# Altium PCB Board.PcbDoc (part 1 of 15) (continued)
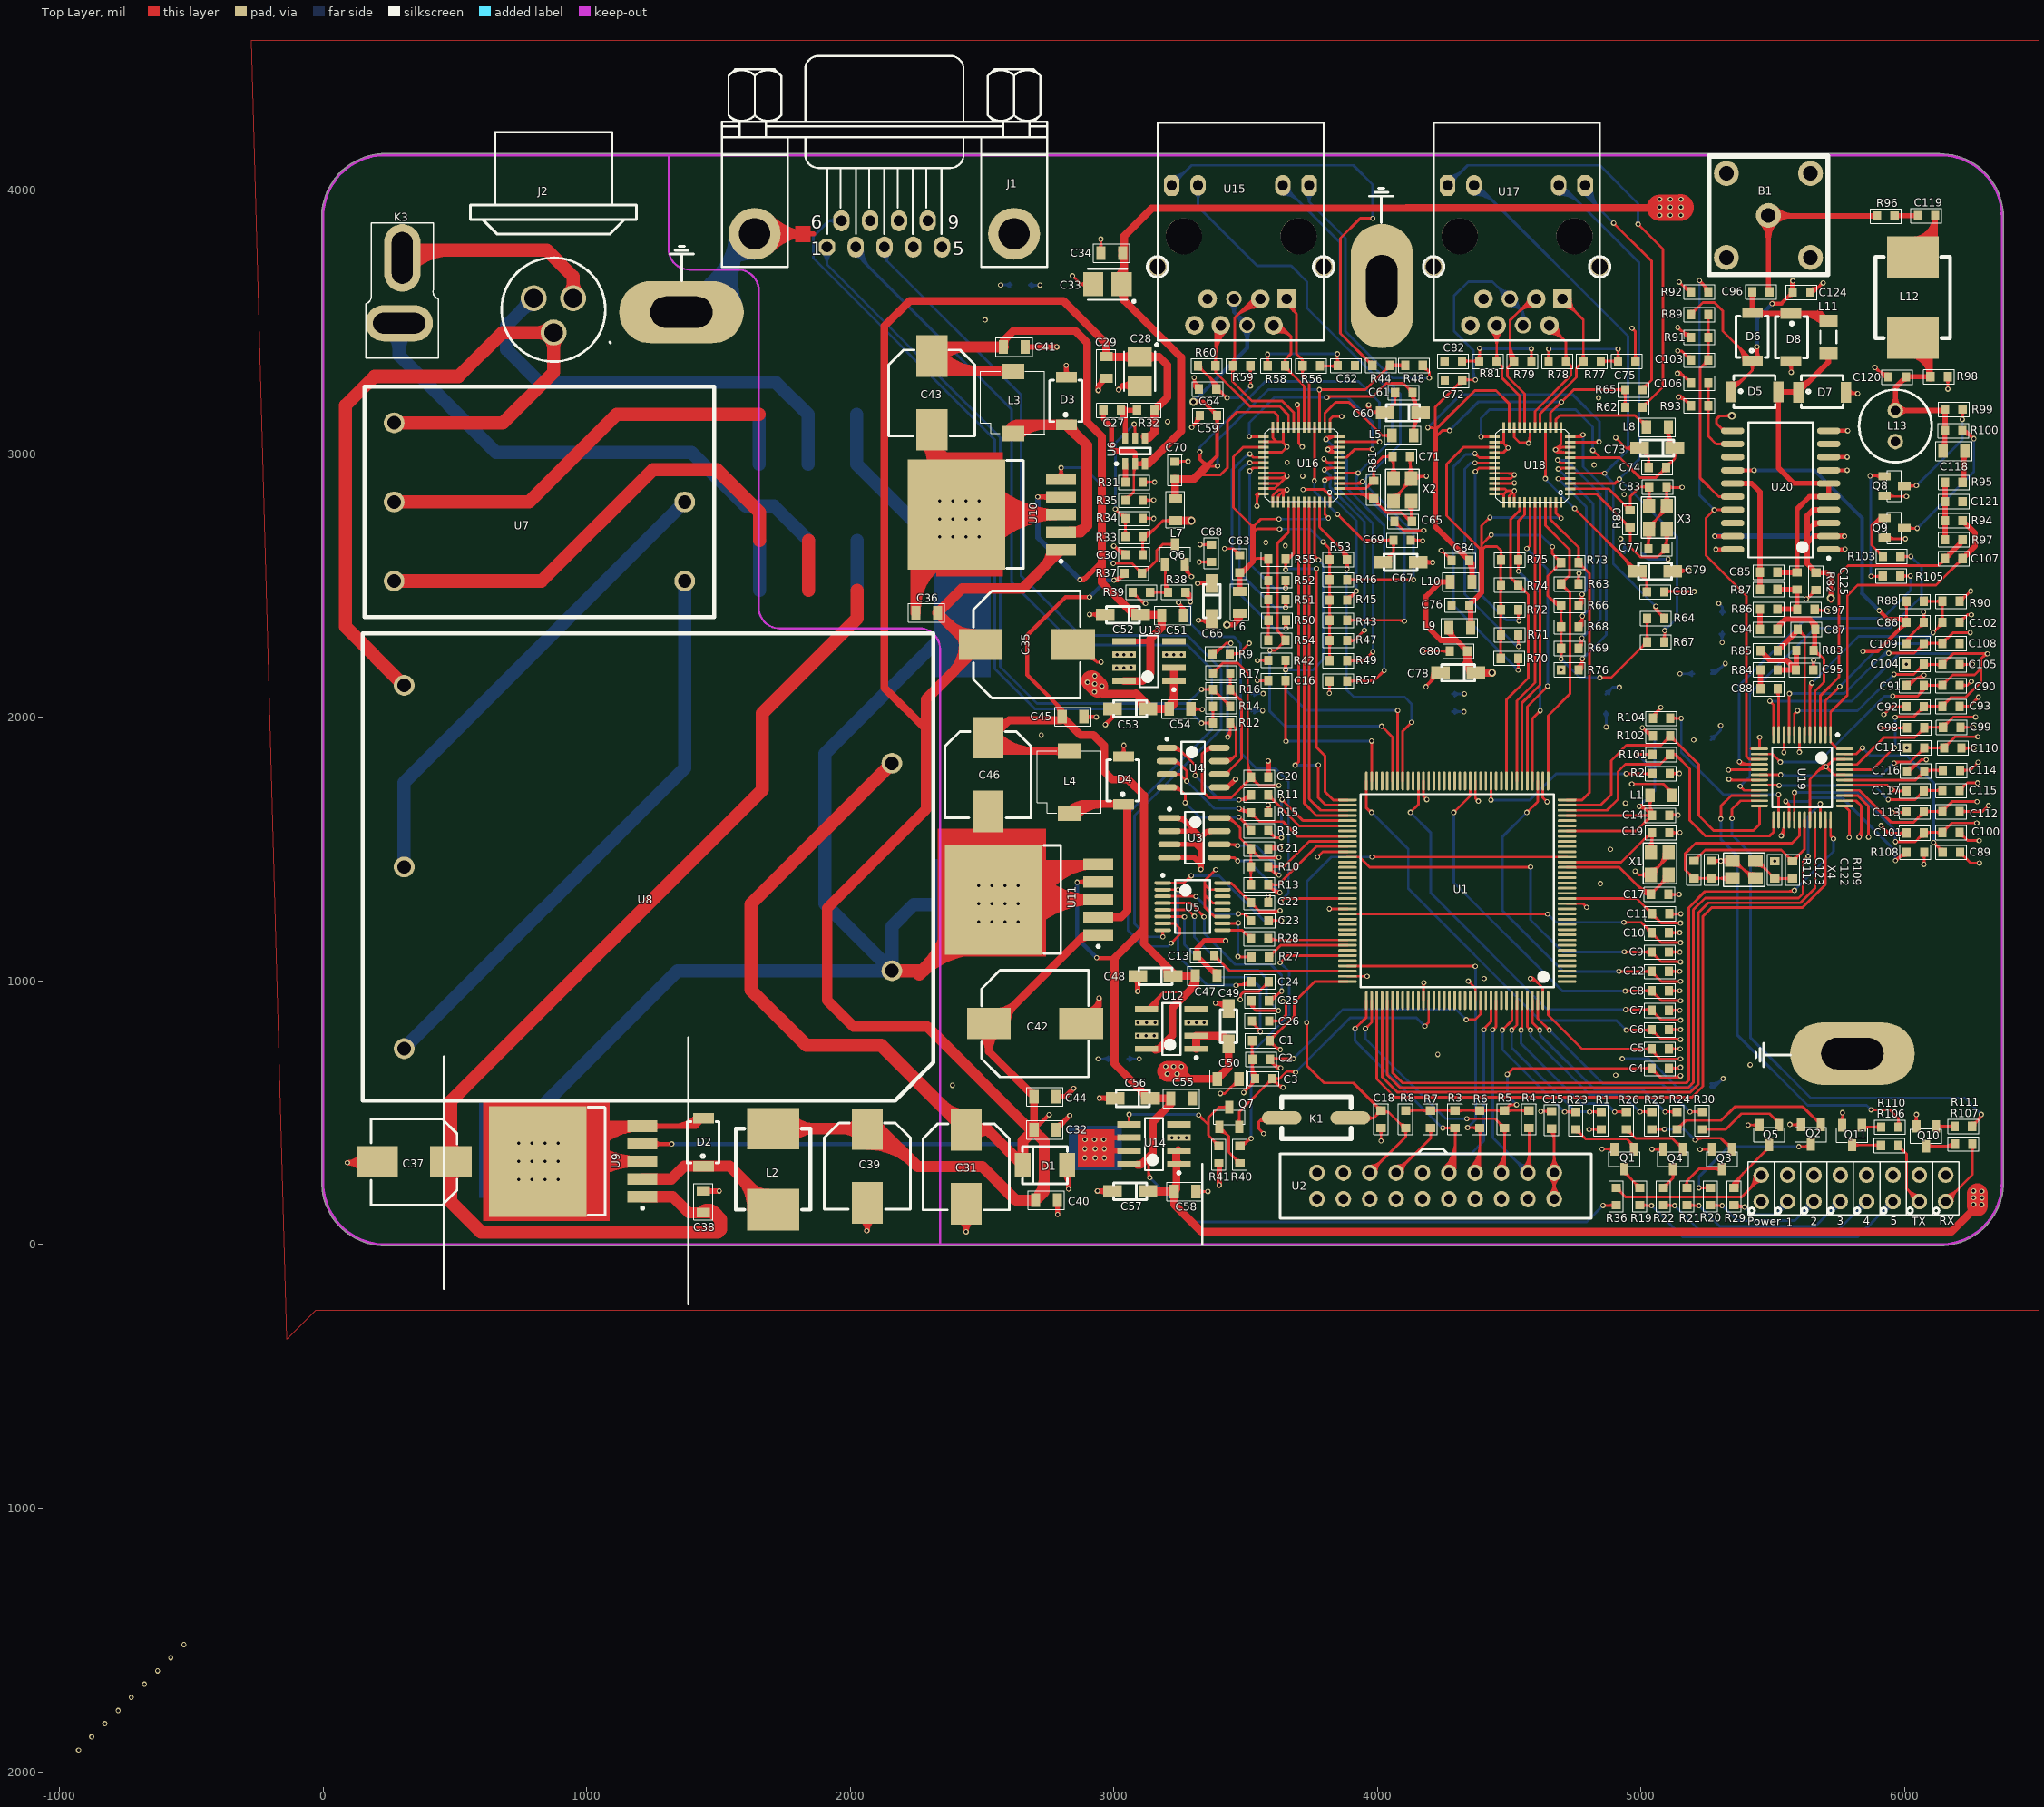
[diagram p0: Top Layer view]
## Components (designator, comment, footprint, x,y, rotation, side; value= is the part's Value field where it differs from the comment) (continued)
R8 "Resistor-0805" 0603 4107.1,442.45 r90 top
R9 "Resistor-0603" 0603 3373.6,2241.45 r0 top
R10 "Resistor-0603" 0603 3519.75,1433.17 r0 top
R11 "Resistor-0603" 0603 3585.6,1705.95 r180 top
R12 "Resistor-0603" 0603 3375.6,1978.45 r0 top
R13 "Resistor-0603" 0603 3519.75,1365.11 r0 top
R14 "Resistor-0603" 0603 3375.6,2041.7 r0 top
R15 "Resistor-0603" 0603 3585.6,1637.9 r180 top
R16 "Resistor-0603" 0603 3375.6,2104.95 r0 top
R17 "Resistor-0603" 0603 3375.6,2168.2 r0 top
R18 "Resistor-0603" 0603 3585.6,1569.84 r180 top
R19 "Resistor-0603" 0603 4995,215.45 r270 top
R20 "Resistor-0603" 0603 5263.2,215.45 r270 top
R21 "Resistor-0603" 0603 5173.8,215.45 r270 top
R22 "Resistor-0603" 0603 5084.4,215.45 r270 top
R23 "Resistor-0603" 0603 4752.6,437.45 r90 top
R24 "Resistor-0603" 0603 5136.6,437.45 r90 top
R25 "Resistor-0603" 0603 5040.6,437.45 r90 top
R26 "Resistor-0603" 0603 4944.6,437.45 r90 top
R27 "Resistor-0603" 0603 3588.6,1091.45 r180 top
R28 "Resistor-0603" 0603 3585.6,1160.45 r180 top
R29 "Resistor-0603" 0603 5352.6,215.45 r270 top
R30 "Resistor-0603" 0603 5232.6,437.45 r90 top
R31 "Resistor-0603" 0603 3109.6,2892.45 r180 top
R32 "Resistor-0603" 0603 3153.6,3165.45 r180 top
R33 "Resistor-0603" 0603 3043.75,2686.06 r0 top
R34 "Resistor-0603" 0603 3109.6,2755.23 r180 top
R35 "Resistor-0603" 0603 3109.6,2823.84 r180 top
R36 "Resistor-0603" 0603 4905.6,215.45 r270 top
R37 "Resistor-0603" 0603 3040.6,2546.45 r0 top
R38 "Resistor-0603" 0603 3205.6,2474.45 r0 top
R39 "Resistor-0603" 0603 3071.6,2474.45 r0 top
R40 "Resistor-0603" 0603 3478.6,308.45 r90 top
R41 "Resistor-0603" 0603 3398.6,308.45 r90 top
R42 "Resistor-0603" 0603 3585.6,2216.28 r0 top
R43 "Resistor-0603" 0603 3818.75,2368.67 r0 top
R44 "Resistor-0603" 0603 3980.6,3335.45 r0 top
R45 "Resistor-0603" 0603 3818.75,2445.41 r0 top
R46 "Resistor-0603" 0603 3818.75,2522.15 r0 top
R47 "Resistor-0603" 0603 3818.75,2291.93 r0 top
R48 "Resistor-0603" 0603 4171.6,3335.45 r180 top
R49 "Resistor-0603" 0603 3818.75,2215.19 r0 top
R50 "Resistor-0603" 0603 3586.6,2368.45 r0 top
R51 "Resistor-0603" 0603 3585.6,2446.78 r0 top
R52 "Resistor-0603" 0603 3585.6,2519.45 r0 top
R53 "Resistor-0603" 0603 3818.6,2598.45 r0 top
R54 "Resistor-0603" 0603 3585.6,2293.12 r0 top
R55 "Resistor-0603" 0603 3585.6,2600.45 r0 top
R56 "Resistor-0603" 0603 3715.6,3333.45 r0 top
R57 "Resistor-0603" 0603 3818.75,2138.45 r0 top
R58 "Resistor-0603" 0603 3649.5,3334.01 r180 top
R59 "Resistor-0603" 0603 3451.7,3333.45 r0 top
R60 "Resistor-0603" 0603 3385.6,3334.01 r180 top
R61 "Resistor-0603" 0603 3985.6,2831.45 r90 top
R62 "Resistor-0603" 0603 5005.6,3176.45 r180 top
R63 "Resistor-0603" 0603 4762.45,2506.61 r180 top
R64 "Resistor-0603" 0603 5022.6,2375.45 r0 top
R65 "Resistor-0603" 0603 5005.6,3243.45 r180 top
R66 "Resistor-0603" 0603 4696.6,2424.65 r0 top
R67 "Resistor-0603" 0603 5022.6,2286.45 r0 top
R68 "Resistor-0603" 0603 4696.6,2343.25 r0 top
R69 "Resistor-0603" 0603 4696.6,2261.85 r0 top
R70 "Resistor-0603" 0603 4467.6,2224.45 r0 top
R71 "Resistor-0603" 0603 4468.6,2313.2 r0 top
R72 "Resistor-0603" 0603 4468.6,2407.95 r0 top
R73 "Resistor-0603" 0603 4696.6,2587.45 r0 top
R74 "Resistor-0603" 0603 4468.6,2502.7 r0 top
R75 "Resistor-0603" 0603 4468.6,2597.45 r0 top
R76 "Resistor-0603" 0603 4696.6,2180.45 r0 top
R77 "Resistor-0603" 0603 4781.03,3351.45 r0 top
R78 "Resistor-0603" 0603 4715.31,3352.01 r180 top
R79 "Resistor-0603" 0603 4517.89,3351.45 r0 top
R80 "Resistor-0603" 0603 4958.6,2719.45 r90 top
R81 "Resistor-0603" 0603 4452.17,3352.01 r180 top
R82 "Resistor-0603" 0603 5591.6,2484.45 r90 top
R83 "Resistor-0603" 0603 5588.6,2254.45 r0 top
R84 "Resistor-0603" 0603 5452.6,2180.45 r0 top
R85 "Resistor-0603" 0603 5452.6,2253.45 r0 top
R86 "Resistor-0603" 0603 5451.6,2410.45 r0 top
R87 "Resistor-0603" 0603 5517.6,2485.45 r180 top
R88 "Resistor-0603" 0603 6072.45,2440.45 r180 top
R89 "Resistor-0603" 0603 5254.6,3528.61 r180 top
R90 "Resistor-0603" 0603 6208.6,2440.45 r180 top
R91 "Resistor-0603" 0603 5188.75,3441.65 r0 top
R92 "Resistor-0603" 0603 5188.75,3614.45 r0 top
R93 "Resistor-0603" 0603 5188.75,3182.45 r0 top
R94 "Resistor-0603" 0603 6153.75,2746.39 r0 top
R95 "Resistor-0603" 0603 6219.6,2891.45 r180 top
R96 "Resistor-0603" 0603 5961.6,3902.45 r180 top
R97 "Resistor-0603" 0603 6153.75,2674.14 r0 top
R98 "Resistor-0603" 0603 6163.6,3292.45 r180 top
R99 "Resistor-0603" 0603 6219.6,3169.45 r180 top
R100 "Resistor-0603" 0603 6218.6,3088.45 r180 top
R101 "Resistor-0805" 0603 5109.6,1859.45 r180 top
R102 "Resistor-0805" 0603 5110.6,1929.45 r180 top
R103 "Resistor-0603" 0603 5917.6,2610.45 r0 top
R104 "Resistor-0805" 0603 5110.6,1996.45 r180 top
R105 "Resistor-0603" 0603 5916.6,2536.45 r0 top
R106 "Resistor-0805" 0603 5909.6,375.45 r0 top
R107 "Resistor-0805" 0603 6190.6,381.45 r0 top
R108 "Resistor-0805" 0603 6007.6,1488.45 r0 top
R109 "Resistor-0805" 0603 5574.6,1454.45 r270 top
R110 "Resistor-0805" 0603 5910.6,445.45 r0 top
R111 "Resistor-0805" 0603 6255.6,448.45 r180 top
R112 "Resistor-0805" 0603 5200.6,1389.45 r90 top
RX "LED" 外插小灯 6155.6,263.45 r270 top (schematic designator LED8)
TX "LED" 外插小灯 6055.6,263.45 r270 top (schematic designator LED7)
U1 "STM32F407ZET6" "Stm32f407ZET6 - duplicate" 4302.6,1342.45 r180 top
U2 "JTAG" JTAG-20 4670.6,272.45 r180 top
U3 "AT24C02" AT24C02 3211.6,1618.45 r0 top
U4 "MAX3485" MAX3485 3300.6,1809.45 r0 top
U5 "MAX3232" MAX3232 3298.6,1282.45 r0 top
U6 "FDC6326L" FDC6326L 3080.6,3010.45 r90 top
U7 "FC-LX1D" FC-LX1D 269.6,2817.45 r0 top
U8 "LH10-10B15" LH10-10B15 307.6,1432.45 r0 top
U9 "LM2596" LM2596 1208.6,180.45 r180 top
U10 "LM2596" LM2596 2796.6,2634.45 r180 top
U11 "LM2596" LM2596 2937.6,1173.45 r180 top
U12 "LT1963" LT1963 3312.6,742.45 r180 top
U13 "LT1963" LT1963 3227.6,2138.45 r180 top
U14 "LT1963" LT1963 3246.6,305.45 r180 top
U15 "RJ45" RJ45#1 3795.91,3709.45 r90 top
U16 "W5200-Chip" W5200-Chip 3842.6,2838.45 r90 top
U17 "RJ45" RJ45#2 4842.64,3709.45 r90 top
U18 "W5200-Chip" W5200-Chip 4718.6,2837.45 r90 top
U19 "SM2200" SM2200 5610.6,1772.45 r270 top
U20 "OPA564AIDWDR" OPA564AIDWDR 5711.6,2637.45 r180 top
X1 "3225无源晶振" 3225无源晶振 5104.6,1402.45 r90 top
X2 "3225无源晶振" 3225无源晶振 4127.6,2820.45 r90 top
X3 "3225无源晶振" 3225无源晶振 5097.6,2714.45 r90 top
X4 "3225无源晶振" 3225无源晶振 5346.6,1389.45 r0 top

## Footprints (in the part's own frame and the unit in brackets; to place one, negate y for a bottom-side part, rotate by r counter-clockwise, add the part's x,y. Pads: shape width x height; smd on the part's side, far side on the other; paste and mask are expansions set on the pad)
0603 [mm] "0603"
  rect 0.8x0.9 smd: 1(0,0) 2(1.676,0)
  silkscreen extent -0.65,-0.69 2.32,0.7, body extent 0.1,-0.4 1.7,0.4, height 0.5
0805 [mm] "Chip Resistor, 2-Leads, Body 2.0x1.2mm, IPC Medium Density"
  rect 0.9x1.3 smd: 1(0,0) 2(2.1,0)
  silkscreen extent -0.7,-0.9 2.8,0.9, body extent 0.05,-0.6 2.05,0.6, height 0.5
1206 [mm]
  rect 1.18x1.76 smd: 1(-1.565,0) 2(1.565,0)
  silkscreen extent -0.6,-0.78 0.6,0.78, body extent -1.7,-0.87 1.7,0.87, height 1
3225无源晶振 [mm]
  rect 1.4x1.2 smd: 1(0,0) 2(2.2,0) 3(2.2,1.7) 4(0,1.7)
  silkscreen extent -0.86,-0.79 3.1,2.46
3528 [mm]
  rect 1.95x2.3 smd: 1(2.75,0) 2(0,0)
  silkscreen extent -1.3,-1.5 3.27,1.78, body extent -0.48,-1.5 3.22,1.5, height 2.1
AT24C02 [mm]
  oval 2.2x0.6 smd: 1(-0.025,0) 2(-0.025,-1.27) 3(-0.025,-2.54) 4(-0.025,-3.81) 5(4.775,-3.81) 6(4.775,-2.54) 7(4.775,-1.27) 8(4.775,0)
  silkscreen extent -0.15,-4.41 3.27,0.97, body extent 0.38,-4.41 4.37,0.6, height 1.75
BC847B [mm] "SOT23, 3-Leads, Body 2.90x2.45mm, Pitch 0.95mm, IPC Medium Density"
  rect 1.2x0.8 smd: 1(0,-1.9) 2(0,0) 3(1.9,-0.95)
  silkscreen extent 0.24,-2.45 1.63,0.55, body extent 0.25,-2.45 1.65,0.55, height 1.1
BNC [mm]
  round 2.4 hole 1.4: 1(-4.075,-4.025) 1(-4.075,4.075) 1(4.025,-4.025) 1(4.025,4.075) 2(-0.025,0.025)
  silkscreen extent -5.74,-5.69 5.69,5.74
DB9 [mil]
  round 196.67 hole 120: 0(-274.17,50) 10(710,50)
  oct 62x62 hole 40: 1(0,0)
  oval 62x80 hole 40: 2(109.17,0) 3(218.33,0) 4(327.5,0) 5(436.67,0) 6(55,100) 7(164.17,100) 8(273.33,100) 9(382.5,100)
  silkscreen extent -398,-75 835,725
FC-LX1D [mm]
  round 2 hole 1.3: 1(0,7.62) 2(0,0) 3(0,-7.62) 4(28,-7.62) 5(28,0)
  silkscreen extent -2.85,-11.1 30.85,11.1
FDC6326L [mm] "SOT23, 6-Leads"
  rect 1.05x0.6 smd: 1(-1.225,0.95) 2(-1.225,0) 3(-1.225,-0.95) 4(1.225,-0.95) 5(1.225,0) 6(1.225,0.95)
  silkscreen extent -1.35,-1.5 0.3,1.92, body extent -0.84,-1.5 0.84,1.5, height 1.1
IN5824 [mm]
  rect 1x2 smd: 1(0,0) 2(4.6,0)
  silkscreen extent 0.3,-1.6 4.3,1.5
Inductor(7.8*7*5) [mm]
  rect 4x5 smd: 1(0,0) 2(7.8,0)
  silkscreen extent 0,-3.6 7.8,3.6
JTAG-20 [mm]
  oval 1.5x1.575 hole 0.9: 1(0,0) 2(0,2.54) 3(2.54,0) 4(2.54,2.54) 5(5.08,0) 6(5.08,2.54) 7(7.62,0) 8(7.62,2.54) 9(10.16,0) 10(10.16,2.54) 11(12.7,0) 12(12.7,2.54) 13(15.24,0) 14(15.24,2.54) 15(17.78,0) 16(17.78,2.54) 17(20.32,0) 18(20.32,2.54) 19(22.86,0) 20(22.86,2.54)
  silkscreen extent -3.57,-2.31 26.43,4.38
LH10-10B15 [mm]
  round 2 hole 1.3: 1(0,17.5) 2(0,0) 3(0,-17.5) 4(47,10) 8(47,-10)
  silkscreen extent -4,-22.5 51,22.5
LM2596 [mm]
  rect 2.9x1.1 smd: 1(-0.076,-0.025) 2(-0.076,-1.725) 3(-0.076,-3.425) 4(-0.076,-5.125) 5(-0.076,-6.825)
  rect 9.4x10.65 smd: 6(10,-3.425)
  silkscreen extent -0.2,-8.66 5.18,1.75, body extent 4.29,-8.6 13.18,1.8, height 4.57
LT1963 [mm]
  rect 2.25x0.6 smd: 1(0,0) 2(0,-1.27) 3(0,-2.54) 4(0,-3.81) 5(4.8,-3.81) 6(4.8,-2.54) 7(4.8,-1.27) 8(4.8,0)
  silkscreen extent -0.13,-4.41 3.27,0.97, body extent 0.41,-4.41 4.4,0.6, height 1.75
MAX3232 [mm]
  oval 1.6x0.35 smd: 1(-2.875,2.275) 2(-2.875,1.625) 3(-2.875,0.975) 4(-2.875,0.325) 5(-2.875,-0.325) 6(-2.875,-0.975) 7(-2.875,-1.625) 8(-2.875,-2.275) 9(2.875,-2.275) 10(2.875,-1.625) 11(2.875,-0.975) 12(2.875,-0.325) 13(2.875,0.325) 14(2.875,0.975) 15(2.875,1.625) 16(2.875,2.275)
  silkscreen extent -3,-2.55 1.68,3.12, body extent -2.25,-2.55 2.25,2.55, height 1.1
MAX3485 [mm]
  oval 2x0.6 smd: 1(-2.525,1.905) 2(-2.525,0.635) 3(-2.525,-0.635) 4(-2.525,-1.905) 5(2.525,-1.905) 6(2.525,-0.635) 7(2.525,0.635) 8(2.525,1.905)
  silkscreen extent -2.65,-2.5 1.13,2.88, body extent -2,-2.5 2,2.5, height 1.75
OPA564AIDWDR [mm] "SOP, 20-Leads, Body 12.82x7.52mm, Pitch 1.27mm, IPC Medium Density"
  oval 2.25x0.6 smd: 1(0,0) 1(0,-7.62) 1(0,-8.89) 1(0,-11.43) 1(9.25,0) 1(9.25,-11.43) 2(0,-1.27) 2(0,-2.54) 2(0,-3.81) 2(9.25,-1.27) 3(9.25,-2.54) 4(9.25,-3.81) 5(9.25,-5.08) 6(9.25,-6.35) 7(9.25,-7.62) 8(9.25,-8.89) 9(9.25,-10.16) 12(0,-10.16) 15(0,-5.08) 15(0,-6.35)
  silkscreen extent -0.13,-12.21 7.73,0.97, body extent 0.81,-12.21 8.41,0.79, height 2.65
RJ45#1 [mm]
  round 3.5 hole 3.5: 0(2.95,13.48) 0(2.95,2.42)
  rect 1.8x1.8 hole 1: 1(-3.09,3.57)
  round 1.8 hole 1: 2(-5.63,4.84) 3(-3.09,6.11) 6(-5.63,9.92) 7(-3.09,11.19) 8(-5.63,12.46)
  round 1.5 hole 1: 4(-5.63,7.38) 5(-3.09,8.65)
  oct 2x1.5 hole 0.991: 9(7.85,1.395) 12(7.85,14.645)
  oval 2x1.5 hole 0.991: 10(7.85,3.935) 11(7.85,12.105)
  round 1.8 hole 1.5: 13(0,16) 14(0,0)
  silkscreen extent -7.1,-1 13.9,17
RJ45#2 [mm]
  round 3.5 hole 3.5: 0(2.95,13.48) 0(2.95,2.42)
  rect 1.8x1.8 hole 1: 1(-3.09,3.57)
  round 1.8 hole 1: 2(-5.63,4.84) 3(-3.09,6.11) 6(-5.63,9.92) 7(-3.09,11.19) 8(-5.63,12.46)
  round 1.6 hole 1: 4(-5.63,7.38) 5(-3.09,8.65)
  oct 2x1.5 hole 0.991: 9(7.85,1.395) 12(7.85,14.645)
  oval 2x1.5 hole 0.991: 10(7.85,3.935) 11(7.85,12.105)
  round 1.8 hole 1.5: 13(0,16) 14(0,0)
  silkscreen extent -7.1,-1 13.9,17
"SLF6025   电感" [mm]
  rect 2.2x1.5 smd: 1(0,0) 2(0,-6)
  silkscreen extent -3.07,-6 3.09,0
SM2200 [mm]
  oval 1.65x0.25 smd: 1(-4.1,2.75) 2(-4.1,2.25) 3(-4.1,1.75) 4(-4.1,1.25) 5(-4.1,0.75) 6(-4.1,0.25) 7(-4.1,-0.25) 8(-4.1,-0.75) 9(-4.1,-1.25) 10(-4.1,-1.75) 11(-4.1,-2.25) 12(-4.1,-2.75) 25(4.1,-2.75) 26(4.1,-2.25) 27(4.1,-1.75) 28(4.1,-1.25) 29(4.1,-0.75) 30(4.1,-0.25) 31(4.1,0.25) 32(4.1,0.75) 33(4.1,1.25) 34(4.1,1.75) 35(4.1,2.25) 36(4.1,2.75)
  oval 0.25x1.65 smd: 13(-2.75,-4.1) 14(-2.25,-4.1) 15(-1.75,-4.1) 16(-1.25,-4.1) 17(-0.75,-4.1) 18(-0.25,-4.1) 19(0.25,-4.1) 20(0.75,-4.1) 21(1.25,-4.1) 22(1.75,-4.1) 23(2.25,-4.1) 24(2.75,-4.1) 37(2.75,4.1) 38(2.25,4.1) 39(1.75,4.1) 40(1.25,4.1) 41(0.75,4.1) 42(0.25,4.1) 43(-0.25,4.1) 44(-0.75,4.1) 45(-1.25,4.1) 46(-1.75,4.1) 47(-2.25,4.1) 48(-2.75,4.1)
  silkscreen extent -4.22,-2.88 2.88,3.55, body extent -3.5,-3.5 3.5,3.5, height 1.6
SMBJ20A [mm]
  rect 1.52x2.3 smd: 1(0,0) 2(4.27,0)
  silkscreen extent -0.02,-1.8 4.29,1.8
"Stm32f407ZET6 - duplicate" [mm] "TSQFP, 144-Leads, Body 22.2x22.2mm (max), Pitch 0.50mm, IPC Medium Density"
  oval 1.83x0.254 smd: 1(-10.575,8.75) 2(-10.575,8.25) 3(-10.575,7.75) 4(-10.575,7.25) 5(-10.575,6.75) 6(-10.575,6.25) 7(-10.575,5.75) 8(-10.575,5.25) 9(-10.575,4.75) 10(-10.575,4.25) 11(-10.575,3.75) 12(-10.575,3.25) 13(-10.575,2.75) 14(-10.575,2.25) 15(-10.575,1.75) 16(-10.575,1.25) 17(-10.575,0.75) 18(-10.575,0.25) 19(-10.575,-0.25) 20(-10.575,-0.75) 21(-10.575,-1.25) 22(-10.575,-1.75) 23(-10.575,-2.25) 24(-10.575,-2.75) 25(-10.575,-3.25) 26(-10.575,-3.75) 27(-10.575,-4.25) 28(-10.575,-4.75) 29(-10.575,-5.25) 30(-10.575,-5.75) 31(-10.575,-6.25) 32(-10.575,-6.75) 33(-10.575,-7.25) 34(-10.575,-7.75) 35(-10.575,-8.25) 36(-10.575,-8.75) 73(10.575,-8.75) 74(10.575,-8.25) 75(10.575,-7.75) 76(10.575,-7.25) 77(10.575,-6.75) 78(10.575,-6.25) 79(10.575,-5.75) 80(10.575,-5.25) 81(10.575,-4.75) 82(10.575,-4.25) 83(10.575,-3.75) 84(10.575,-3.25) 85(10.575,-2.75) 86(10.575,-2.25) 87(10.575,-1.75) 88(10.575,-1.25) 89(10.575,-0.75) 90(10.575,-0.25) 91(10.575,0.25) 92(10.575,0.75) 93(10.575,1.25) 94(10.575,1.75) 95(10.575,2.25) 96(10.575,2.75) 97(10.575,3.25) 98(10.575,3.75) 99(10.575,4.25) 100(10.575,4.75) 101(10.575,5.25) 102(10.575,5.75) 103(10.575,6.25) 104(10.575,6.75) 105(10.575,7.25) 106(10.575,7.75) 107(10.575,8.25) 108(10.575,8.75)
  oval 0.254x1.83 smd: 37(-8.75,-10.575) 38(-8.25,-10.575) 39(-7.75,-10.575) 40(-7.25,-10.575) 41(-6.75,-10.575) 42(-6.25,-10.575) 43(-5.75,-10.575) 44(-5.25,-10.575) 45(-4.75,-10.575) 46(-4.25,-10.575) 47(-3.75,-10.575) 48(-3.25,-10.575) 49(-2.75,-10.575) 50(-2.25,-10.575) 51(-1.75,-10.575) 52(-1.25,-10.575) 53(-0.75,-10.575) 54(-0.25,-10.575) 55(0.25,-10.575) 56(0.75,-10.575) 57(1.25,-10.575) 58(1.75,-10.575) 59(2.25,-10.575) 60(2.75,-10.575) 61(3.25,-10.575) 62(3.75,-10.575) 63(4.25,-10.575) 64(4.75,-10.575) 65(5.25,-10.575) 66(5.75,-10.575) 67(6.25,-10.575) 68(6.75,-10.575) 69(7.25,-10.575) 70(7.75,-10.575) 71(8.25,-10.575) 72(8.75,-10.575) 109(8.75,10.575) 110(8.25,10.575) 111(7.75,10.575) 112(7.25,10.575) 113(6.75,10.575) 114(6.25,10.575) 115(5.75,10.575) 116(5.25,10.575) 117(4.75,10.575) 118(4.25,10.575) 119(3.75,10.575) 120(3.25,10.575) 121(2.75,10.575) 122(2.25,10.575) 123(1.75,10.575) 124(1.25,10.575) 125(0.75,10.575) 126(0.25,10.575) 127(-0.25,10.575) 128(-0.75,10.575) 129(-1.25,10.575) 130(-1.75,10.575) 131(-2.25,10.575) 132(-2.75,10.575) 133(-3.25,10.575) 134(-3.75,10.575) 135(-4.25,10.575) 136(-4.75,10.575) 137(-5.25,10.575) 138(-5.75,10.575) 139(-6.25,10.575) 140(-6.75,10.575) 141(-7.25,10.575) 142(-7.75,10.575) 143(-8.25,10.575) 144(-8.75,10.575)
  silkscreen extent -9.3,-9.3 9.3,9.3, body extent -10,-10 10,10, height 0.16
T型接头 [mm]
  oval 6.5x3.5 hole 2 slot 5 at 0 deg: 1(0,0)
  oval 3.5x6.5 hole 2 slot 5 at 90 deg: 2(6.3,-0.3)
  silkscreen extent -3.35,-3.5 9.65,3.5
W5200-Chip [mil]
  rect 10x40 smd: 1(10,-13) 2(29.69,-13) 3(49.37,-13) 4(69.06,-13) 5(88.74,-13) 6(108.42,-13) 7(128.11,-13) 8(147.8,-13) 9(167.49,-13) 10(187.17,-13) 11(206.86,-13) 12(226.54,-13) 25(226.54,275) 26(206.86,275) 27(187.17,275) 28(167.49,275) 29(147.8,275) 30(128.11,275) 31(108.42,275) 32(88.74,275) 33(69.06,275) 34(49.37,275) 35(29.69,275) 36(10,275)
  rect 40x10 smd: 13(262.27,22.73) 14(262.27,42.42) 15(262.27,62.1) 16(262.27,81.79) 17(262.27,101.47) 18(262.27,121.16) 19(262.27,140.84) 20(262.27,160.53) 21(262.27,180.21) 22(262.27,199.9) 23(262.27,219.58) 24(262.27,239.27) 37(-21.73,239.27) 38(-21.73,219.58) 39(-21.73,199.9) 40(-21.73,180.21) 41(-21.73,160.53) 42(-21.73,140.84) 43(-21.73,121.16) 44(-21.73,101.47) 45(-21.73,81.79) 46(-21.73,62.1) 47(-21.73,42.42) 48(-21.73,22.73)
  silkscreen extent -20,-7 256,269, body extent -21,-9 258,271, height 63
三脚航空插头 [mm]
  round 2.5 hole 1.8: 1(3.8,0) 2(0,0) 3(1.9,-3.3)
  silkscreen extent -6.1,-6.1 9.9,16
外插小灯 [mm]
  round 1.5 hole 0.9: 1(0,0) 2(2.54,0)
  silkscreen extent -1.27,-1.27 3.81,1.27
工字电感0608 [mm]
  round 1.5 hole 0.9: 1(0,0) 2(3,0)
  silkscreen extent -2,-3.5 5,3.5
贴片按键 [mil]
  oval 150x50 smd: 1(0,0) 2(260,0)
  silkscreen extent 0,-79 263,79
贴片铝电容-8*10.3 [mm]
  rect 4x3 smd: 1(0.6,0) 2(7.7,0)
  silkscreen extent 0,-4.15 8.3,4.15
贴片铝电容-10*10 [mm]
  rect 4.2x3 smd: 1(0.7,0) 2(9.6,0)
  silkscreen extent 0,-5.15 10.3,5.15
钽电容1206（A3216） [mm]
  rect 1.8x1.2 smd: 1(3.3,0) 2(-0.1,0)
  silkscreen extent 0,-0.8 3.2,0.8

## Part data
C1 C2 C3 C4 C5 C6 C7 C8 C9 C10 C11 C12 C14 C15 C29 C30 C34 C36 C41 C44 C45 C47 C50 C51 C54 C55 C58: library part Capacitor
C17 C18 C19: library part Capacitor-0
C89 C90 C91 C92 C93 C98 C99 C100 C101 C104 C105 C108 C109 C110 C111 C112 C113 C114 C115 C116 C117 C122 C123: library part Capacito
D3 D4: library part I
L1 L3 L4: library part Ind
R1 R2: library part Resistor
R3 R4 R5 R6 R7 R8: library part Resistor-0
R101 R102 R104 R106 R107 R108 R109 R110 R111 R112: library part Resisto
U1: library part STM32F407Z
U2: library part J
U10 U11 U12 U13 U14: library part L

## Free pads (board coordinates)
  oval 472.44x236.22 hole 118.11 slot 236.22 at 0 deg: 0(1359.6,3537.45) 0(5801.6,724.45)
  oval 236.22x472.44 hole 118.11 slot 236.22 at 90 deg: 0(4016.6,3636.45)

## Via types
v1: diameter 20, hole 12, Top Layer to Bottom Layer, 590 vias
v2: diameter 30, hole 17, Top Layer to Bottom Layer, 6 vias

## Nets (pads, with @x,y where several pads share a name; then routed paths per layer and width w, separated by ;. In a path a pad name is that pad's centre, name@x,y a point inside that pad or via, vN(x,y) a via of type N, cw(c..) or ccw(c..) an arc to the next point about the centre after c; other vN are vias at no path point)
1.8V1: C60.2 C61.2 L5.2 U16.8 U16.25 | length 3172.4
  Top Layer w10: v1(3513.6,3065.45) 3514.05,3064.99 U16.25@3567.6,3064.99 ; v1(3807.6,3213.45) 3811.6,3217.45 3983.6,3217.45 4033.6,3267.45 4097.6,3267.45 C61.2@4132.6,3232.45 C61.2@4137.28,3227.77 ; U16.8@3855.6,2986.25 3882.4,2986.25 3913.6,3017.45 v1(3980.6,3017.45) ; C61.2@4127.22,3221.17 cw(c4107.74,3187.42) 4145.38,3197.51 ; L5.2@4137.28,3069.45 C61.2@4137.28,3227.77 ; C61.2@4140.62,3215.3 cw(c4153.1,3218.65) C61.2@4141.91,3225.11 ; v1@3517.13,3061.91 cw(c3524.57,3054.48) 3524.57,3064.99 ; v1@3517.13,3061.91 cw(c3524.57,3054.48) 3524.57,3064.99 ; v1@3517.13,3061.91 cw(c3524.57,3054.48) 3524.57,3064.99 ; v1@3517.13,3068.98 ccw(c3526.77,3078.62) 3526.77,3064.99 ; v1@3517.13,3068.98 ccw(c3526.77,3078.62) 3526.77,3064.99 ; v1@3517.13,3068.98 ccw(c3526.77,3078.62) 3526.77,3064.99 ; v1@3811.13,3209.91 cw(c3829.33,3191.72) 3829.33,3217.45 ; v1@3811.13,3209.91 cw(c3829.33,3191.72) 3829.33,3217.45 ; v1@3811.13,3209.91 cw(c3829.33,3191.72) 3829.33,3217.45 ; 3968.53,3017.45 cw(c3968.53,3005.38) v1@3977.06,3013.91 ; 3968.53,3017.45 ccw(c3968.53,3029.52) v1@3977.06,3020.98 ; 3968.53,3017.45 cw(c3968.53,3005.38) v1@3977.06,3013.91 ; 3968.53,3017.45 ccw(c3968.53,3029.52) v1@3977.06,3020.98 ; 3968.53,3017.45 ccw(c3968.53,3029.52) v1@3977.06,3020.98 ; 3968.53,3017.45 cw(c3968.53,3005.38) v1@3977.06,3013.91 ; 4110.89,3254.16 ccw(c4132.6,3275.87) C61.2@4132.6,3245.17 ; 4110.89,3254.16 ccw(c4132.6,3275.87) C61.2@4132.6,3245.17 ; 4110.89,3254.16 ccw(c4132.6,3275.87) C61.2@4132.6,3245.17 ; 4115.64,3249.4 cw(c4100.65,3234.42) C61.2@4121.85,3234.42 ; 4115.64,3249.4 cw(c4100.65,3234.42) C61.2@4121.85,3234.42 ; 4115.64,3249.4 cw(c4100.65,3234.42) C61.2@4121.85,3234.42 ; C61.2@4125,3222.88 cw(c4095.36,3193.24) 4137.28,3193.24 ; C61.2@4125,3222.88 cw(c4095.36,3193.24) 4137.28,3193.24 ; C61.2@4125,3222.88 cw(c4095.36,3193.24) 4137.28,3193.24 ; L5.2@4128.28,3086.31 ccw(c4106.58,3108.02) 4137.28,3108.02 ; L5.2@4128.28,3086.31 ccw(c4106.58,3108.02) 4137.28,3108.02 ; L5.2@4128.28,3086.31 ccw(c4106.58,3108.02) 4137.28,3108.02 ; L5.2@4137.28,3075.61 cw(c4231.56,3075.61) C60.2@4164.89,3142.28 ; L5.2@4137.28,3075.61 cw(c4231.56,3075.61) C60.2@4164.89,3142.28 ; L5.2@4137.28,3075.61 cw(c4231.56,3075.61) C60.2@4164.89,3142.28 ; 4137.28,3099.75 cw(c4207.42,3099.75) C60.2@4157.82,3149.35 ; 4137.28,3099.75 cw(c4207.42,3099.75) C60.2@4157.82,3149.35 ; 4137.28,3099.75 cw(c4207.42,3099.75) C60.2@4157.82,3149.35 ; 4137.28,3108.02 ccw(c4167.98,3108.02) L5.2@4146.27,3086.31 ; 4137.28,3108.02 ccw(c4167.98,3108.02) L5.2@4146.27,3086.31 ; 4137.28,3108.02 ccw(c4167.98,3108.02) L5.2@4146.27,3086.31 ; 4137.28,3123.89 cw(c4183.28,3123.89) C60.2@4150.75,3156.42 ; 4137.28,3123.89 cw(c4183.28,3123.89) C60.2@4150.75,3156.42 ; 4137.28,3123.89 cw(c4183.28,3123.89) C60.2@4150.75,3156.42 ; 4137.28,3184.03 ccw(c4176.44,3184.03) C60.2@4150.82,3154.41 ; 4137.28,3184.03 ccw(c4176.44,3184.03) C60.2@4150.82,3154.41 ; 4137.28,3184.03 ccw(c4176.44,3184.03) C60.2@4150.82,3154.41 ; 4137.28,3205.9 ccw(c4195.35,3205.9) C60.2@4157.36,3161.97 ; 4137.28,3205.9 ccw(c4195.35,3205.9) C60.2@4157.36,3161.97 ; 4137.28,3205.9 ccw(c4195.35,3205.9) C60.2@4157.36,3161.97 ; C61.2@4137.28,3227.77 ccw(c4214.26,3227.77) C60.2@4163.91,3169.53 ; C61.2@4137.28,3227.77 ccw(c4214.26,3227.77) C60.2@4163.91,3169.53 ; C61.2@4137.28,3227.77 ccw(c4214.26,3227.77) C60.2@4163.91,3169.53
  Bottom Layer w10: v1(3513.6,3065.45) 3513.6,3118.45 3608.6,3213.45 v1(3807.6,3213.45) 3887.6,3213.45 3980.6,3120.45 v1(3980.6,3017.45) ; v1@3510.06,3068.98 ccw(c3501.53,3077.52) 3513.6,3077.52 ; v1@3510.06,3068.98 ccw(c3501.53,3077.52) 3513.6,3077.52 ; v1@3510.06,3068.98 ccw(c3501.53,3077.52) 3513.6,3077.52 ; 3513.6,3077.52 ccw(c3525.67,3077.52) v1@3517.13,3068.98 ; 3513.6,3077.52 ccw(c3525.67,3077.52) v1@3517.13,3068.98 ; 3513.6,3077.52 ccw(c3525.67,3077.52) v1@3517.13,3068.98 ; 3795.53,3213.45 cw(c3795.53,3201.38) v1@3804.06,3209.91 ; 3795.53,3213.45 ccw(c3795.53,3225.52) v1@3804.06,3216.98 ; 3795.53,3213.45 cw(c3795.53,3201.38) v1@3804.06,3209.91 ; 3795.53,3213.45 ccw(c3795.53,3225.52) v1@3804.06,3216.98 ; 3795.53,3213.45 ccw(c3795.53,3225.52) v1@3804.06,3216.98 ; 3795.53,3213.45 cw(c3795.53,3201.38) v1@3804.06,3209.91 ; v1@3811.13,3209.91 cw(c3819.67,3201.38) 3819.67,3213.45 ; v1@3811.13,3209.91 cw(c3819.67,3201.38) 3819.67,3213.45 ; v1@3811.13,3209.91 cw(c3819.67,3201.38) 3819.67,3213.45 ; v1@3811.13,3216.98 ccw(c3819.67,3225.52) 3819.67,3213.45 ; v1@3811.13,3216.98 ccw(c3819.67,3225.52) 3819.67,3213.45 ; v1@3811.13,3216.98 ccw(c3819.67,3225.52) 3819.67,3213.45 ; v1@3977.06,3020.98 ccw(c3968.53,3029.52) 3980.6,3029.52 ; v1@3977.06,3020.98 ccw(c3968.53,3029.52) 3980.6,3029.52 ; v1@3977.06,3020.98 ccw(c3968.53,3029.52) 3980.6,3029.52 ; 3980.6,3029.52 ccw(c3992.67,3029.52) v1@3984.13,3020.98 ; 3980.6,3029.52 ccw(c3992.67,3029.52) v1@3984.13,3020.98 ; 3980.6,3029.52 ccw(c3992.67,3029.52) v1@3984.13,3020.98
1.8V2: C73.2 C74.2 L8.2 U18.8 U18.25 | length 2577.4
  Top Layer w10: v1(4392.6,3064.45) 4393.05,3063.99 U18.25@4443.6,3063.99 ; U18.8@4731.6,2985.25 4919.8,2985.25 4994.6,2910.45 5056.6,2910.45 C74.2@5094.6,2948.45 5127.54,2981.39 ; v1(4816.6,3013.45) 4841.6,2988.45 ; L8.2@5103.28,3101.45 5103.28,3045.71 C73.2@5127.54,3021.45 5127.54,2981.39 ; v1@4396.13,3060.91 cw(c4403.57,3053.48) 4403.57,3063.99 ; v1@4396.13,3060.91 cw(c4403.57,3053.48) 4403.57,3063.99 ; v1@4396.13,3060.91 cw(c4403.57,3053.48) 4403.57,3063.99 ; v1@4396.13,3067.98 ccw(c4405.77,3077.62) 4405.77,3063.99 ; v1@4396.13,3067.98 ccw(c4405.77,3077.62) 4405.77,3063.99 ; v1@4396.13,3067.98 ccw(c4405.77,3077.62) 4405.77,3063.99 ; v1@4816.6,3008.45 cw(c4816.6,2996.38) 4825.13,3004.91 ; v1@4816.6,3008.45 cw(c4816.6,2996.38) 4825.13,3004.91 ; v1@4816.6,3008.45 cw(c4816.6,2996.38) 4825.13,3004.91 ; v1@4821.6,3013.45 ccw(c4833.67,3013.45) 4825.13,3004.91 ; v1@4821.6,3013.45 ccw(c4833.67,3013.45) 4825.13,3004.91 ; v1@4821.6,3013.45 ccw(c4833.67,3013.45) 4825.13,3004.91 ; 5072.89,2926.74 cw(c5094.6,2905.03) C74.2@5094.6,2935.73 ; 5072.89,2926.74 cw(c5094.6,2905.03) C74.2@5094.6,2935.73 ; 5072.89,2926.74 cw(c5094.6,2905.03) C74.2@5094.6,2935.73 ; 5077.64,2931.49 ccw(c5062.65,2946.48) C74.2@5083.85,2946.48 ; 5077.64,2931.49 ccw(c5062.65,2946.48) C74.2@5083.85,2946.48 ; 5077.64,2931.49 ccw(c5062.65,2946.48) C74.2@5083.85,2946.48 ; L8.2@5094.28,3084.58 cw(c5072.58,3062.87) 5103.28,3062.87 ; L8.2@5094.28,3084.58 cw(c5072.58,3062.87) 5103.28,3062.87 ; L8.2@5094.28,3084.58 cw(c5072.58,3062.87) 5103.28,3062.87 ; C74.2@5094.6,2961.17 ccw(c5094.6,2991.87) 5116.31,2970.16 ; C74.2@5094.6,2961.17 ccw(c5094.6,2991.87) 5116.31,2970.16 ; C74.2@5094.6,2961.17 ccw(c5094.6,2991.87) 5116.31,2970.16 ; 5103.28,3048.18 ccw(c5142.45,3048.18) C73.2@5114.75,3020.47 ; 5103.28,3048.18 ccw(c5142.45,3048.18) C73.2@5114.75,3020.47 ; 5103.28,3048.18 ccw(c5142.45,3048.18) C73.2@5114.75,3020.47 ; 5103.28,3062.87 cw(c5133.98,3062.87) L8.2@5112.27,3084.58 ; 5103.28,3062.87 cw(c5133.98,3062.87) L8.2@5112.27,3084.58 ; 5103.28,3062.87 cw(c5133.98,3062.87) L8.2@5112.27,3084.58 ; 5103.28,3072.32 ccw(c5166.59,3072.32) C73.2@5121.82,3027.55 ; 5103.28,3072.32 ccw(c5166.59,3072.32) C73.2@5121.82,3027.55 ; 5103.28,3072.32 ccw(c5166.59,3072.32) C73.2@5121.82,3027.55 ; L8.2@5103.28,3096.46 ccw(c5190.74,3096.46) C73.2@5128.89,3034.62 ; L8.2@5103.28,3096.46 ccw(c5190.74,3096.46) C73.2@5128.89,3034.62 ; L8.2@5103.28,3096.46 ccw(c5190.74,3096.46) C73.2@5128.89,3034.62 ; C73.2@5104.1,3044.89 ccw(c5115.72,3056.51) C73.2@5115.72,3040.07 ; C73.2@5104.1,3044.89 ccw(c5115.72,3056.51) C73.2@5115.72,3040.07 ; C73.2@5104.1,3044.89 ccw(c5115.72,3056.51) C73.2@5115.72,3040.07 ; C74.2@5105.35,2950.42 cw(c5126.54,2950.42) 5111.55,2965.4 ; C74.2@5105.35,2950.42 cw(c5126.54,2950.42) 5111.55,2965.4 ; C74.2@5105.35,2950.42 cw(c5126.54,2950.42) 5111.55,2965.4 ; C73.2@5115.53,3007.21 cw(c5093.76,2981.39) 5127.54,2981.39 ; C73.2@5115.53,3007.21 cw(c5093.76,2981.39) 5127.54,2981.39 ; C73.2@5115.53,3007.21 cw(c5093.76,2981.39) 5127.54,2981.39 ; 5127.54,2981.39 cw(c5161.32,2981.39) C73.2@5139.54,3007.21 ; 5127.54,2981.39 cw(c5161.32,2981.39) C73.2@5139.54,3007.21 ; 5127.54,2981.39 cw(c5161.32,2981.39) C73.2@5139.54,3007.21
  Bottom Layer w10: v1(4392.6,3064.45) 4392.6,3135.45 4425.6,3168.45 4750.6,3168.45 4816.6,3102.45 v1(4816.6,3013.45) ; v1@4389.06,3067.98 ccw(c4380.53,3076.52) 4392.6,3076.52 ; v1@4389.06,3067.98 ccw(c4380.53,3076.52) 4392.6,3076.52 ; v1@4389.06,3067.98 ccw(c4380.53,3076.52) 4392.6,3076.52 ; 4392.6,3076.52 ccw(c4404.67,3076.52) v1@4396.13,3067.98 ; 4392.6,3076.52 ccw(c4404.67,3076.52) v1@4396.13,3067.98 ; 4392.6,3076.52 ccw(c4404.67,3076.52) v1@4396.13,3067.98 ; v1@4813.06,3016.98 ccw(c4804.53,3025.52) 4816.6,3025.52 ; v1@4813.06,3016.98 ccw(c4804.53,3025.52) 4816.6,3025.52 ; v1@4813.06,3016.98 ccw(c4804.53,3025.52) 4816.6,3025.52 ; 4816.6,3025.52 ccw(c4828.67,3025.52) v1@4820.13,3016.98 ; 4816.6,3025.52 ccw(c4828.67,3025.52) v1@4820.13,3016.98 ; 4816.6,3025.52 ccw(c4828.67,3025.52) v1@4820.13,3016.98
1M0: R43.2 U15.11 U16.5 | length 2933.6
  Top Layer w10: U16.5@3855.6,2927.19 v1@3926.6,2927.19 ; R43.2@3889.97,2363.45 R43.2@3884.75,2368.67 4099.38,2368.67 v1(4102.6,2365.45) ; R43.2@3892.35,2361.07 cw(c3910.7,2342.72) 3910.7,2368.67 ; R43.2@3892.35,2361.07 cw(c3910.7,2342.72) 3910.7,2368.67 ; R43.2@3892.35,2361.07 cw(c3910.7,2342.72) 3910.7,2368.67 ; R43.2@3892.35,2376.27 ccw(c3910.7,2394.62) 3910.7,2368.67 ; R43.2@3892.35,2376.27 ccw(c3910.7,2394.62) 3910.7,2368.67 ; R43.2@3892.35,2376.27 ccw(c3910.7,2394.62) 3910.7,2368.67 ; 3913.91,2927.19 ccw(c3913.91,2940.14) v1@3923.06,2930.98 ; 3913.91,2927.19 ccw(c3913.91,2940.14) v1@3923.06,2930.98 ; 3913.91,2927.19 ccw(c3913.91,2940.14) v1@3923.06,2930.98 ; 3915.15,2927.19 cw(c3915.15,2916) v1@3923.06,2923.91 ; 3915.15,2927.19 cw(c3915.15,2916) v1@3923.06,2923.91 ; 3915.15,2927.19 cw(c3915.15,2916) v1@3923.06,2923.91 ; 4082.75,2368.67 cw(c4082.75,2345.6) v1@4099.06,2361.91 ; 4082.75,2368.67 cw(c4082.75,2345.6) v1@4099.06,2361.91 ; 4082.75,2368.67 cw(c4082.75,2345.6) v1@4099.06,2361.91
  Bottom Layer w10: U15.11@3307.3,3987.28 cw(c3295.73,3966.72) 3319.33,3966.72 ; U15.11@3319.33,4018.5 U15.11@3319.33,3989.45 ; U15.11@3331.36,3987.28 ccw(c3342.93,3966.72) 3319.33,3966.72 ; v1(4102.6,2365.45) 4102.6,2695.45 3920.6,2877.45 3920.6,2921.45 v1(3926.6,2927.45) 4055.6,3056.45 4055.6,3230.45 3732.6,3553.45 3732.6,3653.45 3672.6,3713.45 3543.6,3713.45 3319.33,3937.72 U15.11@3319.33,3989.45 ; 3319.33,3966.72 U15.11@3319.33,3989.45 ; v1@3926.6,2932.45 ccw(c3926.6,2944.52) 3935.13,2935.98 ; v1@3926.6,2932.45 ccw(c3926.6,2944.52) 3935.13,2935.98 ; v1@3926.6,2932.45 ccw(c3926.6,2944.52) 3935.13,2935.98 ; v1@3931.6,2927.45 cw(c3943.67,2927.45) 3935.13,2935.98 ; v1@3931.6,2927.45 cw(c3943.67,2927.45) 3935.13,2935.98 ; v1@3931.6,2927.45 cw(c3943.67,2927.45) 3935.13,2935.98 ; v1@4099.06,2368.98 ccw(c4090.53,2377.52) 4102.6,2377.52 ; v1@4099.06,2368.98 ccw(c4090.53,2377.52) 4102.6,2377.52 ; v1@4099.06,2368.98 ccw(c4090.53,2377.52) 4102.6,2377.52 ; 4102.6,2377.52 ccw(c4114.67,2377.52) v1@4106.13,2368.98 ; 4102.6,2377.52 ccw(c4114.67,2377.52) v1@4106.13,2368.98 ; 4102.6,2377.52 ccw(c4114.67,2377.52) v1@4106.13,2368.98 ; 3920.6,2900.89 cw(c3953.15,2900.89) 3930.13,2923.91 ccw(c3953.15,2900.89) 3920.6,2900.89
1M1: R45.2 U16.4 | length 982.4
  Top Layer w10: v1(3799.6,2899.45) 3807.66,2907.51 ; v1@3799.81,2904.44 ccw(c3800.24,2914.92) 3807.65,2907.51 ; v1@3804.59,2899.66 cw(c3815.07,2900.09) 3807.65,2907.51 ; U16.4@3855.6,2907.51 3807.66,2907.51 ; R45.2@3884.75,2445.41 3887.56,2445.41 v1@3920.6,2478.45 ; v1@3796.06,2902.98 cw(c3806.98,2892.07) 3806.98,2907.51 ; v1@3796.06,2902.98 cw(c3806.98,2892.07) 3806.98,2907.51 ; v1@3796.06,2902.98 cw(c3806.98,2892.07) 3806.98,2907.51 ; v1@3803.13,2895.91 cw(c3831.12,2867.93) 3831.12,2907.51 ; v1@3803.13,2895.91 cw(c3831.12,2867.93) 3831.12,2907.51 ; v1@3803.13,2895.91 cw(c3831.12,2867.93) 3831.12,2907.51 ; R45.2@3884.75,2458.13 ccw(c3884.75,2495.61) 3911.25,2469.11 ; R45.2@3884.75,2458.13 ccw(c3884.75,2495.61) 3911.25,2469.11 ; R45.2@3884.75,2458.13 ccw(c3884.75,2495.61) 3911.25,2469.11 ; R45.2@3895.5,2447.38 cw(c3909.91,2447.38) R45.2@3899.72,2457.57 ; R45.2@3895.5,2447.38 cw(c3909.91,2447.38) R45.2@3899.72,2457.57 ; R45.2@3895.5,2447.38 cw(c3909.91,2447.38) R45.2@3899.72,2457.57 ; 3909.65,2467.5 ccw(c3897.7,2479.45) v1@3914.6,2479.45 ; 3909.65,2467.5 ccw(c3897.7,2479.45) v1@3914.6,2479.45 ; 3909.65,2467.5 ccw(c3897.7,2479.45) v1@3914.6,2479.45
  Bottom Layer w10: v1(3799.6,2899.45) 3799.6,2866.45 3919.6,2746.45 v1(3919.6,2479.45) ; 3799.6,2887.38 cw(c3811.67,2887.38) 3803.13,2895.91 ccw(c3811.67,2887.38) 3799.6,2887.38 ; 3799.6,2887.38 ccw(c3787.53,2887.38) 3796.06,2895.91 cw(c3787.53,2887.38) 3799.6,2887.38 ; v1@3916.06,2482.98 ccw(c3907.53,2491.52) 3919.6,2491.52 ; v1@3916.06,2482.98 ccw(c3907.53,2491.52) 3919.6,2491.52 ; v1@3916.06,2482.98 ccw(c3907.53,2491.52) 3919.6,2491.52 ; 3919.6,2491.52 ccw(c3931.67,2491.52) v1@3923.13,2482.98 ; 3919.6,2491.52 ccw(c3931.67,2491.52) v1@3923.13,2482.98 ; 3919.6,2491.52 ccw(c3931.67,2491.52) v1@3923.13,2482.98
1M2: R46.2 U15.10 U16.3 | length 2984.4
  Top Layer w10: U16.3@3855.6,2887.82 3936.97,2887.82 v1(3943.6,2894.45) ; R46.2@3884.75,2522.15 v1@4136.6,2522.15 ; R46.2@3892.35,2514.55 cw(c3910.7,2496.2) 3910.7,2522.15 ; R46.2@3892.35,2514.55 cw(c3910.7,2496.2) 3910.7,2522.15 ; R46.2@3892.35,2514.55 cw(c3910.7,2496.2) 3910.7,2522.15 ; R46.2@3892.35,2529.75 ccw(c3910.7,2548.1) 3910.7,2522.15 ; R46.2@3892.35,2529.75 ccw(c3910.7,2548.1) 3910.7,2522.15 ; R46.2@3892.35,2529.75 ccw(c3910.7,2548.1) 3910.7,2522.15 ; 4123.8,2522.15 ccw(c4123.8,2535.24) v1@4133.06,2525.98 ; 4123.8,2522.15 ccw(c4123.8,2535.24) v1@4133.06,2525.98 ; 4123.8,2522.15 ccw(c4123.8,2535.24) v1@4133.06,2525.98 ; 4125.25,2522.15 cw(c4125.25,2511.1) v1@4133.06,2518.91 ; 4125.25,2522.15 cw(c4125.25,2511.1) v1@4133.06,2518.91 ; 4125.25,2522.15 cw(c4125.25,2511.1) v1@4133.06,2518.91 ; 3915.53,2887.82 ccw(c3915.53,2922.52) 3940.06,2897.98 cw(c3915.53,2922.52) 3915.53,2887.82
  Bottom Layer w10: U15.10@3640.98,4018.5 3857.6,3801.89 3857.6,3457.45 4086.6,3228.45 4086.6,3037.45 v1(3943.6,2894.45) 4136.6,2701.45 v1(4136.6,2522.45) ; U15.10@3640.98,3984.13 cw(c3640.98,3901.16) 3699.66,3959.83 ; U15.10@3640.98,3984.13 cw(c3640.98,3901.16) 3699.66,3959.83 ; U15.10@3640.98,3984.13 cw(c3640.98,3901.16) 3699.66,3959.83 ; U15.10@3640.98,3994.13 cw(c3640.98,3935.3) 3682.59,3976.9 ; U15.10@3640.98,3994.13 cw(c3640.98,3935.3) 3682.59,3976.9 ; U15.10@3640.98,3994.13 cw(c3640.98,3935.3) 3682.59,3976.9 ; U15.10@3665.51,4008.66 ccw(c3700.96,4008.66) 3675.89,3983.59 ; U15.10@3665.51,4008.66 ccw(c3700.96,4008.66) 3675.89,3983.59 ; U15.10@3665.51,4008.66 ccw(c3700.96,4008.66) 3675.89,3983.59 ; v1@3943.6,2889.45 cw(c3943.6,2877.38) 3952.13,2885.91 ; v1@3943.6,2889.45 cw(c3943.6,2877.38) 3952.13,2885.91 ; v1@3943.6,2889.45 cw(c3943.6,2877.38) 3952.13,2885.91 ; v1@3943.6,2899.45 ccw(c3943.6,2911.52) 3952.13,2902.98 ; v1@3943.6,2899.45 ccw(c3943.6,2911.52) 3952.13,2902.98 ; v1@3943.6,2899.45 ccw(c3943.6,2911.52) 3952.13,2902.98 ; v1@3948.6,2894.45 cw(c3960.67,2894.45) 3952.13,2902.98 ; v1@3948.6,2894.45 ccw(c3960.67,2894.45) 3952.13,2885.91 ; v1@3948.6,2894.45 cw(c3960.67,2894.45) 3952.13,2902.98 ; v1@3948.6,2894.45 ccw(c3960.67,2894.45) 3952.13,2885.91 ; v1@3948.6,2894.45 ccw(c3960.67,2894.45) 3952.13,2885.91 ; v1@3948.6,2894.45 cw(c3960.67,2894.45) 3952.13,2902.98 ; v1@4133.06,2525.98 ccw(c4124.53,2534.52) 4136.6,2534.52 ; v1@4133.06,2525.98 ccw(c4124.53,2534.52) 4136.6,2534.52 ; v1@4133.06,2525.98 ccw(c4124.53,2534.52) 4136.6,2534.52 ; 4136.6,2534.52 ccw(c4148.67,2534.52) v1@4140.13,2525.98 ; 4136.6,2534.52 ccw(c4148.67,2534.52) v1@4140.13,2525.98 ; 4136.6,2534.52 ccw(c4148.67,2534.52) v1@4140.13,2525.98